# Altium PCB 通用工装板.PcbDoc (part 4 of 10)
Units mil, origin at the board's own origin, x right, y up, seen from the top; angles counter-clockwise.
Board outline 5905.51 x 3937.01 mil, 4 copper layers (L1, L2, L3, L4), stack 30.634 mil thick; 601 components, 576 nets, 2543 pads, 2986 vias.
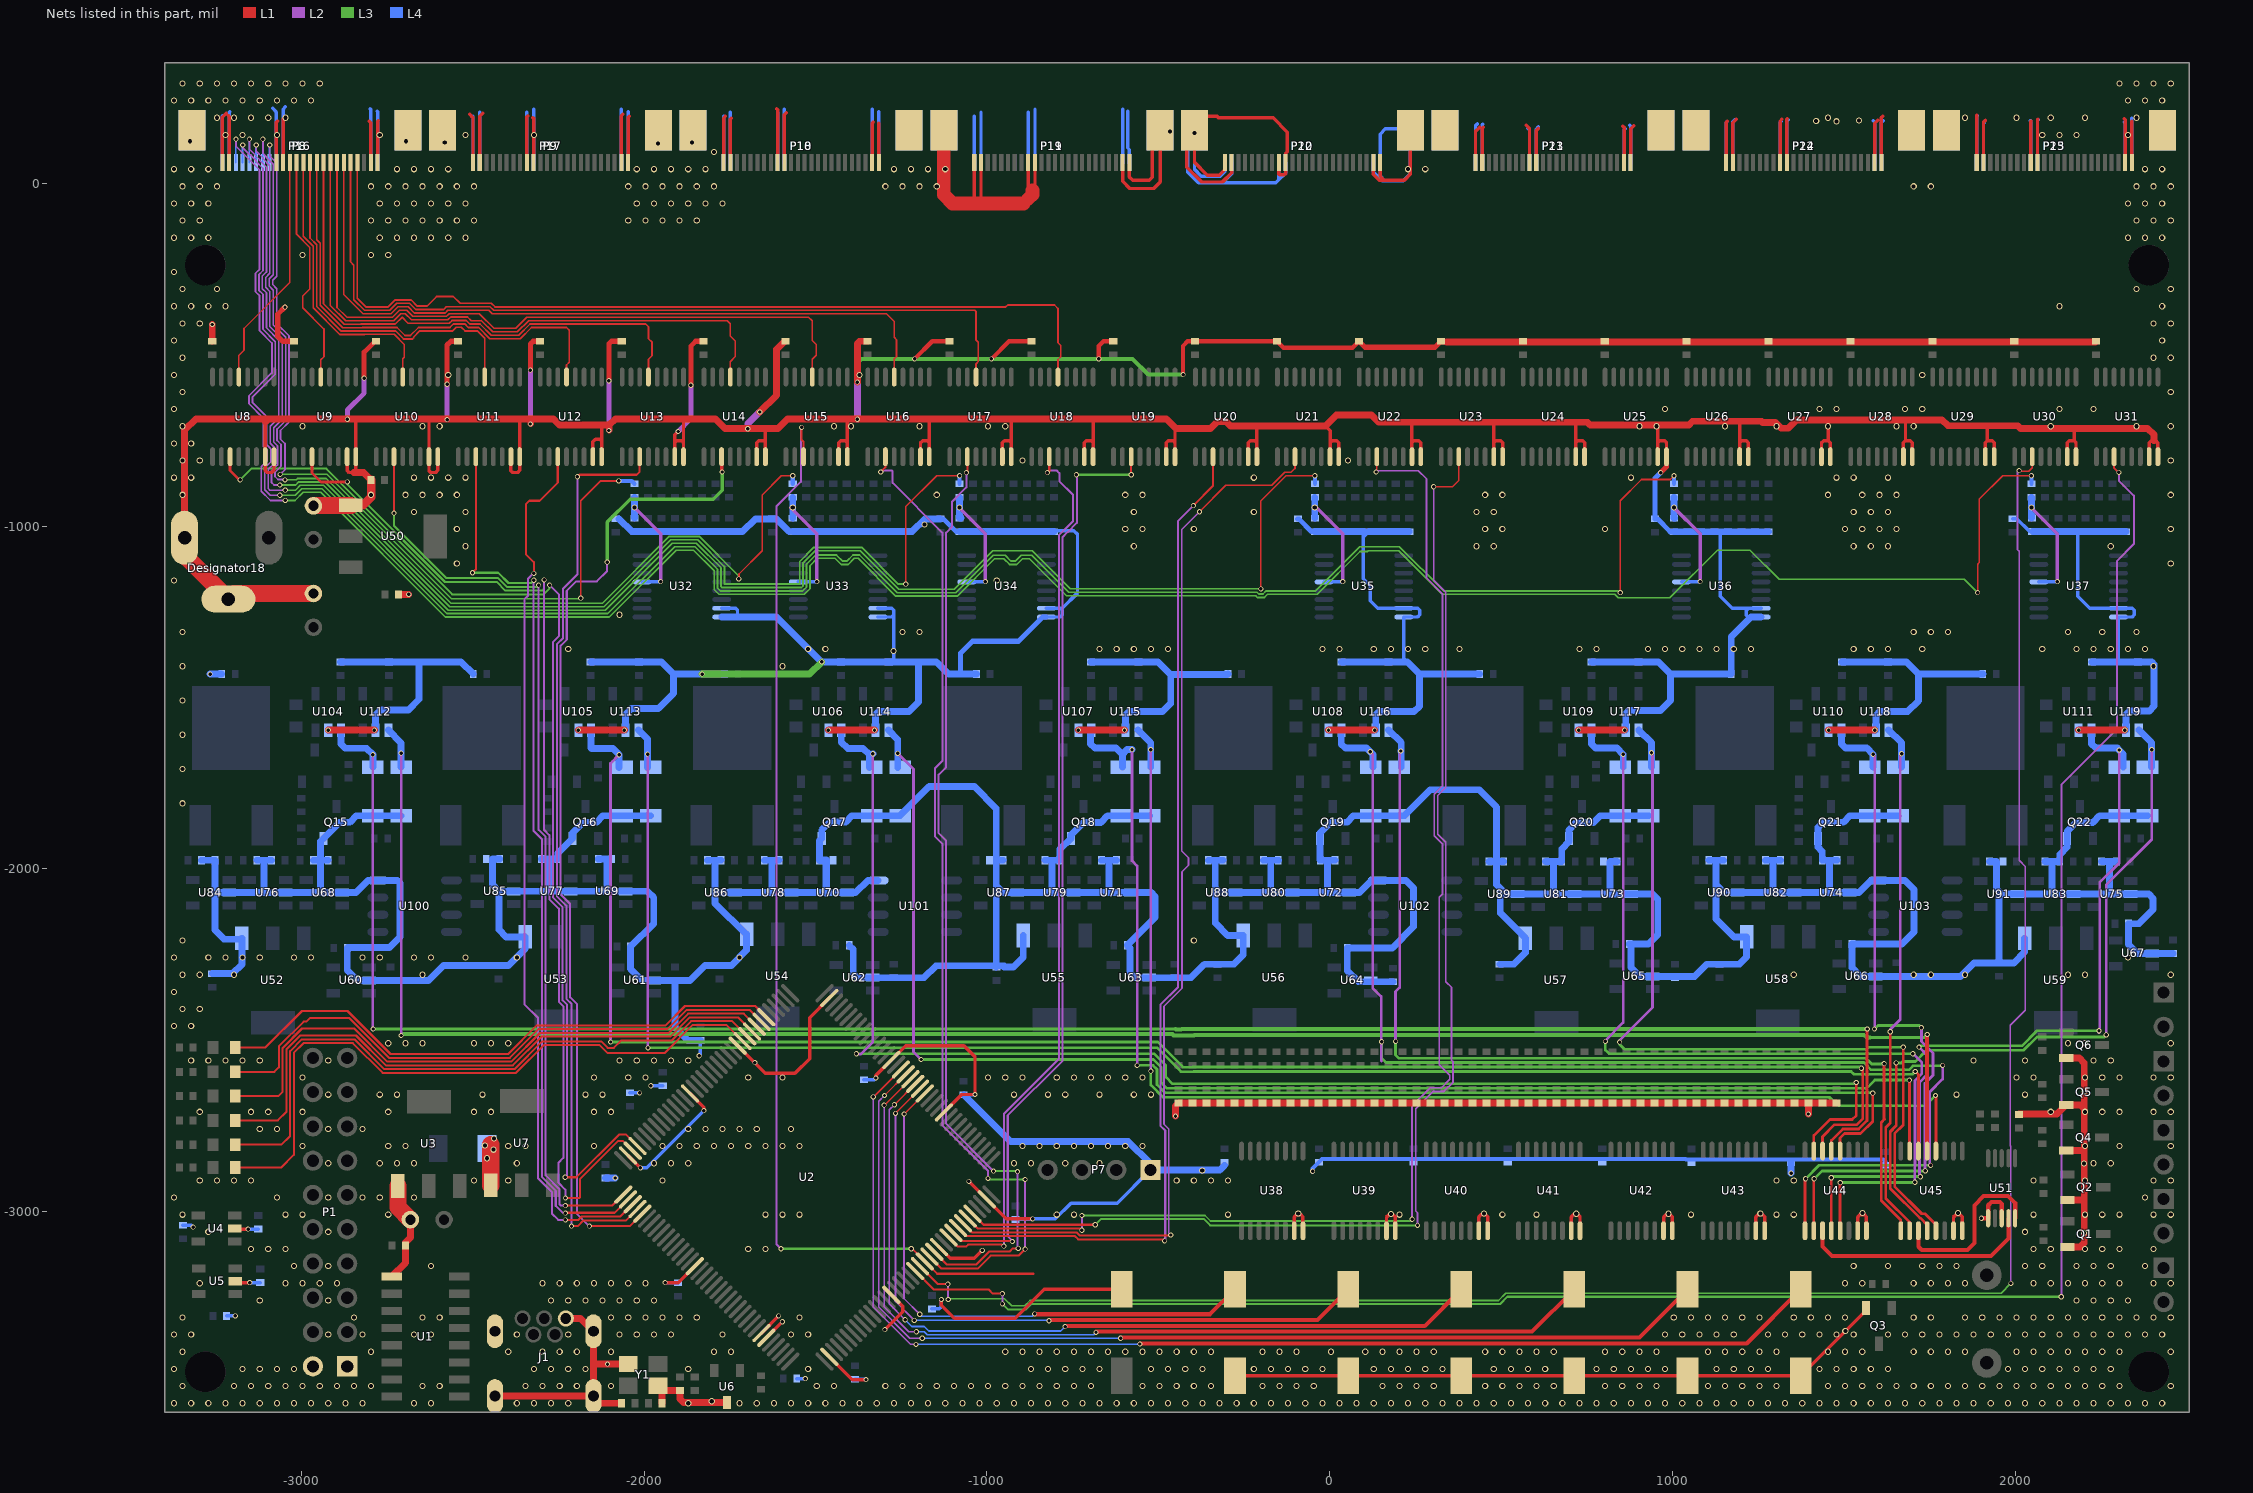
[diagram p6: the nets of this part, all layers, seen from the top]

## Via types
v1: diameter 15, hole 10, L1 to L4, tented both sides, 1853 vias
v2: diameter 18, hole 12, L1 to L4, tented both sides, 1133 vias

## Nets (pads, with @x,y where several pads share a name; then routed paths per layer and width w, separated by ;. In a path a pad name is that pad's centre, name@x,y a point inside that pad or via, vN(x,y) a via of type N, cw(c..) or ccw(c..) an arc to the next point about the centre after c; other vN are vias at no path point) (continued)
GND: (continued)
  other v2: -3371.62,-3558.62 -3321.62,-3558.62 -3271.62,-3558.62 -3221.62,-3558.62 -3171.62,-3558.62 -3121.62,-3558.62 -3071.62,-3558.62 -3021.62,-3558.62 -2971.62,-3558.62 -2921.62,-3558.62 -2871.62,-3558.62 -2821.62,-3558.62 -2671.62,-3558.62 -2621.62,-3558.62 -2371.62,-3558.62 -2321.62,-3558.62 -2271.62,-3558.62 -2221.62,-3558.62 -1871.62,-3558.62 -1721.62,-3558.62 -1671.62,-3558.62 -1621.62,-3558.62 -1571.62,-3558.62 -1521.62,-3558.62 -1471.62,-3558.62 -1421.62,-3558.62 -1371.62,-3558.62 -1321.62,-3558.62 -1271.62,-3558.62 -1221.62,-3558.62 -1171.62,-3558.62 -1121.62,-3558.62 -1071.62,-3558.62 -1021.62,-3558.62 -971.62,-3558.62 -921.62,-3558.62 -871.62,-3558.62 -821.62,-3558.62 -771.62,-3558.62 -721.62,-3558.62 -671.62,-3558.62 -621.62,-3558.62 -571.62,-3558.62 -521.62,-3558.62 -471.62,-3558.62 -421.62,-3558.62 -371.62,-3558.62 -321.62,-3558.62 -271.62,-3558.62 -221.62,-3558.62 -171.62,-3558.62 -121.62,-3558.62 -71.62,-3558.62 -21.62,-3558.62 28.38,-3558.62 78.38,-3558.62 128.38,-3558.62 178.38,-3558.62 228.38,-3558.62 278.38,-3558.62 328.38,-3558.62 378.38,-3558.62 428.38,-3558.62 478.38,-3558.62 528.38,-3558.62 578.38,-3558.62 628.38,-3558.62 678.38,-3558.62 728.38,-3558.62 778.38,-3558.62 828.38,-3558.62 878.38,-3558.62 928.38,-3558.62 978.38,-3558.62 1028.38,-3558.62 1078.38,-3558.62 1128.38,-3558.62 1178.38,-3558.62 1228.38,-3558.62 1278.38,-3558.62 1328.38,-3558.62 1378.38,-3558.62 1428.38,-3558.62 1478.38,-3558.62 1528.38,-3558.62 1578.38,-3558.62 1628.38,-3558.62 1678.38,-3558.62 1728.38,-3558.62 1778.38,-3558.62 1828.38,-3558.62 1878.38,-3558.62 1928.38,-3558.62 1978.38,-3558.62 2028.38,-3558.62 2078.38,-3558.62 2128.38,-3558.62 2178.38,-3558.62 2228.38,-3558.62 2278.38,-3558.62 2328.38,-3558.62 2378.38,-3558.62 2428.38,-3558.62 -1803,-3553 -3346.62,-3508.62 -3196.62,-3508.62 -3146.62,-3508.62 -3096.62,-3508.62 -3046.62,-3508.62 -2996.62,-3508.62 -2946.62,-3508.62 -2896.62,-3508.62 -2846.62,-3508.62 -2796.62,-3508.62 -2646.62,-3508.62 -2596.62,-3508.62 -2346.62,-3508.62 -2296.62,-3508.62 -2246.62,-3508.62 -2196.62,-3508.62 -2096.62,-3508.62 -1496.62,-3508.62 -1446.62,-3508.62 -1296.62,-3508.62 -1246.62,-3508.62 -1196.62,-3508.62 -1146.62,-3508.62 -1096.62,-3508.62 -1046.62,-3508.62 -996.62,-3508.62 -946.62,-3508.62 -896.62,-3508.62 -846.62,-3508.62 -796.62,-3508.62 -746.62,-3508.62 -696.62,-3508.62 -546.62,-3508.62 -496.62,-3508.62 -446.62,-3508.62 -396.62,-3508.62 -346.62,-3508.62 -196.62,-3508.62 -146.62,-3508.62 -96.62,-3508.62 -46.62,-3508.62 153.38,-3508.62 203.38,-3508.62 253.38,-3508.62 303.38,-3508.62 453.38,-3508.62 503.38,-3508.62 553.38,-3508.62 603.38,-3508.62 653.38,-3508.62 803.38,-3508.62 853.38,-3508.62 903.38,-3508.62 953.38,-3508.62 1103.38,-3508.62 1153.38,-3508.62 1203.38,-3508.62 1253.38,-3508.62 1303.38,-3508.62 1453.38,-3508.62 1503.38,-3508.62 1553.38,-3508.62 1603.38,-3508.62 1653.38,-3508.62 1703.38,-3508.62 1753.38,-3508.62 1803.38,-3508.62 1853.38,-3508.62 1903.38,-3508.62 1953.38,-3508.62 2003.38,-3508.62 2053.38,-3508.62 2103.38,-3508.62 2153.38,-3508.62 2203.38,-3508.62 2253.38,-3508.62 2303.38,-3508.62 2453.38,-3508.62 -3371.62,-3458.62 -3171.62,-3458.62 -3121.62,-3458.62 -3071.62,-3458.62 -3021.62,-3458.62 -2321.62,-3458.62 -2271.62,-3458.62 -2221.62,-3458.62 -2171.62,-3458.62 -1871.62,-3458.62 -1521.62,-3458.62 -871.62,-3458.62 -821.62,-3458.62 -771.62,-3458.62 -721.62,-3458.62 -671.62,-3458.62 -521.62,-3458.62 -471.62,-3458.62 -421.62,-3458.62 -371.62,-3458.62 -221.62,-3458.62 -171.62,-3458.62 -121.62,-3458.62 -71.62,-3458.62 -21.62,-3458.62 128.38,-3458.62 178.38,-3458.62 228.38,-3458.62 278.38,-3458.62 328.38,-3458.62 478.38,-3458.62 528.38,-3458.62 578.38,-3458.62 628.38,-3458.62 778.38,-3458.62 828.38,-3458.62 878.38,-3458.62 928.38,-3458.62 978.38,-3458.62 1128.38,-3458.62 1178.38,-3458.62 1228.38,-3458.62 1278.38,-3458.62 1428.38,-3458.62 1478.38,-3458.62 1528.38,-3458.62 1578.38,-3458.62 1628.38,-3458.62 1978.38,-3458.62 2028.38,-3458.62 2078.38,-3458.62 2128.38,-3458.62 2178.38,-3458.62 2228.38,-3458.62 2278.38,-3458.62 -3346.62,-3408.62 -2796.62,-3408.62 -2396.62,-3408.62 -2296.62,-3408.62 -2246.62,-3408.62 -2196.62,-3408.62 -2096.62,-3408.62 -1796.62,-3408.62 -1746.62,-3408.62 -946.62,-3408.62 -896.62,-3408.62 -846.62,-3408.62 -796.62,-3408.62 -746.62,-3408.62 -696.62,-3408.62 -646.62,-3408.62 -596.62,-3408.62 -546.62,-3408.62 -496.62,-3408.62 -446.62,-3408.62 -396.62,-3408.62 -346.62,-3408.62 -196.62,-3408.62 -146.62,-3408.62 -96.62,-3408.62 3.38,-3408.62 103.38,-3408.62 153.38,-3408.62 203.38,-3408.62 253.38,-3408.62 303.38,-3408.62 453.38,-3408.62 503.38,-3408.62 553.38,-3408.62 603.38,-3408.62 653.38,-3408.62 803.38,-3408.62 853.38,-3408.62 903.38,-3408.62 953.38,-3408.62 1103.38,-3408.62 1153.38,-3408.62 1203.38,-3408.62 1253.38,-3408.62 1303.38,-3408.62 1453.38,-3408.62 1503.38,-3408.62 1553.38,-3408.62 1703.38,-3408.62 1753.38,-3408.62 1803.38,-3408.62 1853.38,-3408.62 2003.38,-3408.62 2053.38,-3408.62 2103.38,-3408.62 2153.38,-3408.62 2203.38,-3408.62 2253.38,-3408.62 2303.38,-3408.62 2453.38,-3408.62 -3371.62,-3358.62 -3321.62,-3358.62 -2921.62,-3358.62 -2821.62,-3358.62 -2671.62,-3358.62 -2621.62,-3358.62 -2371.62,-3358.62 -2221.62,-3358.62 -2071.62,-3358.62 -2021.62,-3358.62 -1971.62,-3358.62 -1921.62,-3358.62 -1771.62,-3358.62 -1571.62,-3358.62 -1521.62,-3358.62 978.38,-3358.62 1028.38,-3358.62 1078.38,-3358.62 1128.38,-3358.62 1178.38,-3358.62 1278.38,-3358.62 1328.38,-3358.62 1378.38,-3358.62 1428.38,-3358.62 1478.38,-3358.62 1528.38,-3358.62 1628.38,-3358.62 1678.38,-3358.62 1728.38,-3358.62 1778.38,-3358.62 1828.38,-3358.62 1878.38,-3358.62 1928.38,-3358.62 1978.38,-3358.62 2028.38,-3358.62 2078.38,-3358.62 2128.38,-3358.62 2178.38,-3358.62 2228.38,-3358.62 2278.38,-3358.62 2328.38,-3358.62 2378.38,-3358.62 2428.38,-3358.62 1504,-3348 -3346.62,-3308.62 -2846.62,-3308.62 -2646.62,-3308.62 -2596.62,-3308.62 -2096.62,-3308.62 -2046.62,-3308.62 -1996.62,-3308.62 -1946.62,-3308.62 -1896.62,-3308.62 -1846.62,-3308.62 -1546.62,-3308.62 1003.38,-3308.62 1053.38,-3308.62 1103.38,-3308.62 1153.38,-3308.62 1203.38,-3308.62 1253.38,-3308.62 1353.38,-3308.62 1403.38,-3308.62 1453.38,-3308.62 1503.38,-3308.62 1703.38,-3308.62 1753.38,-3308.62 1853.38,-3308.62 1903.38,-3308.62 1953.38,-3308.62 2003.38,-3308.62 2053.38,-3308.62 2103.38,-3308.62 2153.38,-3308.62 2203.38,-3308.62 2253.38,-3308.62 2303.38,-3308.62 2353.38,-3308.62 2403.38,-3308.62 2453.38,-3308.62 -3121.62,-3258.62 -2921.62,-3258.62 -2271.62,-3258.62 -2221.62,-3258.62 -2171.62,-3258.62 -2121.62,-3258.62 -2071.62,-3258.62 -2021.62,-3258.62 -1971.62,-3258.62 2178.38,-3258.62 2228.38,-3258.62 2278.38,-3258.62 2328.38,-3258.62 -3296.62,-3208.62 -3046.62,-3208.62 -2996.62,-3208.62 -2946.62,-3208.62 -2896.62,-3208.62 -2296.62,-3208.62 -2246.62,-3208.62 -2196.62,-3208.62 -2146.62,-3208.62 -2096.62,-3208.62 -2046.62,-3208.62 -1996.62,-3208.62 1503.38,-3208.62 1553.38,-3208.62 1703.38,-3208.62 1753.38,-3208.62 1803.38,-3208.62 1853.38,-3208.62 2053.38,-3208.62 2103.38,-3208.62 2153.38,-3208.62 2203.38,-3208.62 2253.38,-3208.62 2303.38,-3208.62 2403.38,-3208.62 2453.38,-3208.62 -3021.62,-3158.62 -2921.62,-3158.62 -2621.62,-3158.62 1528.38,-3158.62 1628.38,-3158.62 1728.38,-3158.62 1778.38,-3158.62 1828.38,-3158.62 2028.38,-3158.62 2078.38,-3158.62 2178.38,-3158.62 2228.38,-3158.62 2278.38,-3158.62 2378.38,-3158.62 -3146.62,-3108.62 -3096.62,-3108.62 -3046.62,-3108.62 -1696.62,-3108.62 -1646.62,-3108.62 2053.38,-3108.62 2103.38,-3108.62 2203.38,-3108.62 2253.38,-3108.62 2303.38,-3108.62 2403.38,-3108.62 2200,-3062 -3271.62,-3058.62 -2921.62,-3058.62 2028.38,-3058.62 -3346.62,-3008.62 -3046.62,-3008.62 -2996.62,-3008.62 -2746.62,-3008.62 -1646.62,-3008.62 -1596.62,-3008.62 -1546.62,-3008.62 -796.62,-3008.62 -746.62,-3008.62 -296.62,-3008.62 203.38,-3008.62 503.38,-3008.62 603.38,-3008.62 1053.38,-3008.62 1303.38,-3008.62 1353.38,-3008.62 2053.38,-3008.62 2203.38,-3008.62 2253.38,-3008.62 2303.38,-3008.62 2403.38,-3008.62 2453.38,-3008.62 179,-3007 719,-3006 988,-3006 -92,-3005 450,-3005 1256,-3005 1554,-3004 1833,-3004 -3371.62,-2958.62 -3071.62,-2958.62 -2921.62,-2958.62 -2821.62,-2958.62 -2771.62,-2958.62 -2671.62,-2958.62 2378.38,-2958.62 -3296.62,-2908.62 -3246.62,-2908.62 -3196.62,-2908.62 -3146.62,-2908.62 -2496.62,-2908.62 -2396.62,-2908.62 -1946.62,-2908.62 -446.62,-2908.62 -396.62,-2908.62 -346.62,-2908.62 -296.62,-2908.62 1303.38,-2908.62 1353.38,-2908.62 2053.38,-2908.62 2203.38,-2908.62 2403.38,-2908.62 2453.38,-2908.62 -372,-2880 -2921.62,-2858.62 -2771.62,-2858.62 -2721.62,-2858.62 -2671.62,-2858.62 -2371.62,-2858.62 -1971.62,-2858.62 -1921.62,-2858.62 -1871.62,-2858.62 -921.62,-2858.62 -871.62,-2858.62 -771.62,-2858.62 -671.62,-2858.62 2200,-2859 2228.38,-2858.62 2278.38,-2858.62 -2459,-2844 -2440,-2819 -2996.62,-2808.62 -2746.62,-2808.62 -2696.62,-2808.62 -2396.62,-2808.62 -2346.62,-2808.62 -2146.62,-2808.62 -1946.62,-2808.62 -1896.62,-2808.62 -1846.62,-2808.62 -1796.62,-2808.62 -1746.62,-2808.62 -1696.62,-2808.62 -1646.62,-2808.62 -1596.62,-2808.62 -1546.62,-2808.62 -896.62,-2808.62 -846.62,-2808.62 -796.62,-2808.62 -746.62,-2808.62 -696.62,-2808.62 -646.62,-2808.62 -596.62,-2808.62 -546.62,-2808.62 2203.38,-2808.62 2303.38,-2808.62 2453.38,-2808.62 -2465,-2807 -2438,-2786 -3121.62,-2758.62 -3071.62,-2758.62 -2921.62,-2758.62 -2821.62,-2758.62 -1871.62,-2758.62 -1821.62,-2758.62 -1771.62,-2758.62 -1721.62,-2758.62 -1671.62,-2758.62 -1571.62,-2758.62 -3296.62,-2708.62 -3146.62,-2708.62 -3096.62,-2708.62 -2996.62,-2708.62 -2746.62,-2708.62 -2496.62,-2708.62 -2446.62,-2708.62 -2146.62,-2708.62 -2096.62,-2708.62 2103.38,-2708.62 2203.38,-2708.62 2253.38,-2708.62 2303.38,-2708.62 2403.38,-2708.62 2453.38,-2708.62 -2921.62,-2658.62 -2771.62,-2658.62 -2721.62,-2658.62 -2471.62,-2658.62 -2171.62,-2658.62 -2121.62,-2658.62 -921.62,-2658.62 -821.62,-2658.62 -771.62,-2658.62 -671.62,-2658.62 -571.62,-2658.62 -521.62,-2658.62 1828.38,-2658.62 2028.38,-2658.62 2200,-2649 -2996.62,-2608.62 -2146.62,-2608.62 -2046.62,-2608.62 -1996.62,-2608.62 -1696.62,-2608.62 -1596.62,-2608.62 -996.62,-2608.62 -946.62,-2608.62 -896.62,-2608.62 -796.62,-2608.62 -746.62,-2608.62 -696.62,-2608.62 -646.62,-2608.62 -596.62,-2608.62 -546.62,-2608.62 2003.38,-2608.62 2053.38,-2608.62 2203.38,-2608.62 2253.38,-2608.62 2303.38,-2608.62 2403.38,-2608.62 2453.38,-2608.62 -3321.62,-2558.62 -3271.62,-2558.62 -3221.62,-2558.62 -3171.62,-2558.62 -3121.62,-2558.62 -2921.62,-2558.62 -2071.62,-2558.62 -2021.62,-2558.62 -1971.62,-2558.62 -1921.62,-2558.62 -1871.62,-2558.62 1878.38,-2558.62 2028.38,-2558.62 2228.38,-2558.62 2278.38,-2558.62 -2746.62,-2508.62 -2696.62,-2508.62 -2646.62,-2508.62 -2496.62,-2508.62 -2446.62,-2508.62 -2396.62,-2508.62 2153.38,-2508.62 2203.38,-2508.62 2453.38,-2508.62 -3371.62,-2458.62 -3321.62,-2458.62 -3346.62,-2408.62 -3296.62,-2408.62 -3371.62,-2358.62 -3346.62,-2308.62 -3296.62,-2308.62 -3196.62,-2308.62 -2646.62,-2308.62 1353.38,-2308.62 1703.38,-2308.62 1753.38,-2308.62 1853.38,-2308.62 2153.38,-2308.62 2203.38,-2308.62 2453.38,-2308.62 -3371.62,-2258.62 -3271.62,-2258.62 -3221.62,-2258.62 -3171.62,-2258.62 -3121.62,-2258.62 -3021.62,-2258.62 -2971.62,-2258.62 -2821.62,-2258.62 -2771.62,-2258.62 -2671.62,-2258.62 -2621.62,-2258.62 -2521.62,-2258.62 -2371.62,-2258.62 -1721.62,-2258.62 2328.38,-2258.62 -3346.62,-2208.62 -396.62,-2208.62 -3346.62,-1808.62 -3346.62,-1708.62 -3346.62,-1608.62 -3346.62,-1508.62 -3346.62,-1408.62 -1596.62,-1408.62 2403.38,-1408.62 -1273,-1364 -2221.62,-1358.62 -1521.62,-1358.62 -1471.62,-1358.62 -671.62,-1358.62 -621.62,-1358.62 -571.62,-1358.62 -521.62,-1358.62 -471.62,-1358.62 -21.62,-1358.62 28.38,-1358.62 128.38,-1358.62 178.38,-1358.62 228.38,-1358.62 278.38,-1358.62 378.38,-1358.62 728.38,-1358.62 778.38,-1358.62 928.38,-1358.62 978.38,-1358.62 1028.38,-1358.62 1078.38,-1358.62 1128.38,-1358.62 1178.38,-1358.62 1228.38,-1358.62 1528.38,-1358.62 1578.38,-1358.62 1628.38,-1358.62 1728.38,-1358.62 2078.38,-1358.62 2178.38,-1358.62 2228.38,-1358.62 2278.38,-1358.62 2328.38,-1358.62 2378.38,-1358.62 -3346.62,-1308.62 -1246.62,-1308.62 -1196.62,-1308.62 1703.38,-1308.62 1753.38,-1308.62 1803.38,-1308.62 2153.38,-1308.62 2253.38,-1308.62 2353.38,-1308.62 -2071.62,-1258.62 -3371.62,-1158.62 -971.62,-1158.62 -2546.62,-1108.62 2453.38,-1108.62 -2521.62,-1058.62 -571.62,-1058.62 428.38,-1058.62 478.38,-1058.62 1528.38,-1058.62 1578.38,-1058.62 1628.38,-1058.62 2278.38,-1058.62 -2546.62,-1008.62 -596.62,-1008.62 -546.62,-1008.62 -396.62,-1008.62 453.38,-1008.62 503.38,-1008.62 803.38,-1008.62 1503.38,-1008.62 1553.38,-1008.62 1603.38,-1008.62 1653.38,-1008.62 2453.38,-1008.62 -1182,-995 -2671.62,-958.62 -2521.62,-958.62 -571.62,-958.62 -221.62,-958.62 428.38,-958.62 478.38,-958.62 1528.38,-958.62 1578.38,-958.62 1628.38,-958.62 -3346.62,-908.62 -2796.62,-908.62 -2696.62,-908.62 -2646.62,-908.62 -2596.62,-908.62 -2546.62,-908.62 -1146.62,-908.62 -596.62,-908.62 -546.62,-908.62 453.38,-908.62 503.38,-908.62 1453.38,-908.62 1553.38,-908.62 1603.38,-908.62 1653.38,-908.62 2453.38,-908.62 -3371.62,-858.62 -3321.62,-858.62 -2671.62,-858.62 -2621.62,-858.62 -2571.62,-858.62 -2521.62,-858.62 -221.62,-858.62 878.38,-858.62 1478.38,-858.62 1528.38,-858.62 1628.38,-858.62 -3346.62,-808.62 -3296.62,-808.62 -896.62,-808.62 53.38,-808.62 2453.38,-808.62 -3371.62,-758.62 -3321.62,-758.62 -3346.62,-708.62 -2996.62,-708.62 -2646.62,-708.62 -2596.62,-708.62 -1446.62,-708.62 -1396.62,-708.62 -1196.62,-708.62 -996.62,-708.62 -946.62,-708.62 903.38,-708.62 953.38,-708.62 1153.38,-708.62 1303.38,-708.62 1453.38,-708.62 1653.38,-708.62 1703.38,-708.62 2103.38,-708.62 2353.38,-708.62 2453.38,-708.62 -3371.62,-658.62 978.38,-658.62 1428.38,-658.62 1478.38,-658.62 1678.38,-658.62 1728.38,-658.62 2128.38,-658.62 2228.38,-658.62 -3346.62,-608.62 2453.38,-608.62 -3371.62,-558.62 -2571.62,-558.62 -1371.62,-558.62 1728.38,-558.62 -3346.62,-508.62 2403.38,-508.62 2453.38,-508.62 -3371.62,-458.62 2428.38,-458.62 -3346.62,-408.62 -3296.62,-408.62 2403.38,-408.62 2453.38,-408.62 -3371.62,-358.62 -3321.62,-358.62 -3271.62,-358.62 -3221.62,-358.62 2128.38,-358.62 2428.38,-358.62 -3346.62,-308.62 -3246.62,-308.62 2353.38,-308.62 2453.38,-308.62 -3371.62,-258.62 -2996.62,-208.62 -2796.62,-208.62 -2746.62,-208.62 -3371.62,-158.62 -3321.62,-158.62 -3271.62,-158.62 -2771.62,-158.62 -2721.62,-158.62 -2671.62,-158.62 -2621.62,-158.62 -2571.62,-158.62 -2521.62,-158.62 2328.38,-158.62 2378.38,-158.62 2428.38,-158.62 -3346.62,-108.62 -3296.62,-108.62 -2796.62,-108.62 -2746.62,-108.62 -2696.62,-108.62 -2646.62,-108.62 -2596.62,-108.62 -2546.62,-108.62 -2496.62,-108.62 -2046.62,-108.62 -1996.62,-108.62 -1946.62,-108.62 -1896.62,-108.62 -1846.62,-108.62 2353.38,-108.62 2403.38,-108.62 2453.38,-108.62 -3371.62,-58.62 -3321.62,-58.62 -3271.62,-58.62 -2771.62,-58.62 -2721.62,-58.62 -2671.62,-58.62 -2621.62,-58.62 -2571.62,-58.62 -2521.62,-58.62 -2021.62,-58.62 -1971.62,-58.62 -1921.62,-58.62 -1871.62,-58.62 -1821.62,-58.62 -1771.62,-58.62 2328.38,-58.62 2378.38,-58.62 2428.38,-58.62 -3346.62,-8.62 -3296.62,-8.62 -3246.62,-8.62 -2796.62,-8.62 -2746.62,-8.62 -2696.62,-8.62 -2646.62,-8.62 -2596.62,-8.62 -2546.62,-8.62 -2496.62,-8.62 -2046.62,-8.62 -1996.62,-8.62 -1946.62,-8.62 -1896.62,-8.62 -1846.62,-8.62 -1796.62,-8.62 -1296.62,-8.62 -1246.62,-8.62 -1196.62,-8.62 -1146.62,-8.62 1703.38,-8.62 1753.38,-8.62 2353.38,-8.62 2403.38,-8.62 2453.38,-8.62 -3371.62,41.38 -3321.62,41.38 -3271.62,41.38 -2721.62,41.38 -2671.62,41.38 -2621.62,41.38 -2571.62,41.38 -2021.62,41.38 -1971.62,41.38 -1921.62,41.38 -1871.62,41.38 -1821.62,41.38 -1271.62,41.38 -1221.62,41.38 -1171.62,41.38 -1121.62,41.38 228.38,41.38 278.38,41.38 2378.38,41.38 2428.38,41.38 -1796.62,91.38 -1960,116 -2582,119 -1861,119 -3325,123 -2695,123 -3221.62,141.38 -3171.62,141.38 -3071.62,141.38 -2771.62,141.38 -2521.62,141.38 -2321.62,141.38 2078.38,141.38 2128.38,141.38 2178.38,141.38 2328.38,141.38 -395,147 -466,151 1478,181 1419,182 1544,183 -3246.62,191.38 -3196.62,191.38 -3146.62,191.38 -3096.62,191.38 -3046.62,191.38 1453.38,191.38 1853.38,191.38 2003.38,191.38 2103.38,191.38 2203.38,191.38 2353.38,191.38 -3371.62,241.38 -3321.62,241.38 -3271.62,241.38 -3221.62,241.38 -3171.62,241.38 -3121.62,241.38 -3071.62,241.38 -3021.62,241.38 -2971.62,241.38 2328.38,241.38 2378.38,241.38 2428.38,241.38 -3346.62,291.38 -3296.62,291.38 -3246.62,291.38 -3196.62,291.38 -3146.62,291.38 -3096.62,291.38 -3046.62,291.38 -2996.62,291.38 -2946.62,291.38 2303.38,291.38 2353.38,291.38 2403.38,291.38 2453.38,291.38
GPIO0: U2.141 U8.3 | length 3208.2
  L1 w6: v1(-2230.56,-2899.44) -2198,-2899.44 -2073.56,-2775 -2052.61,-2775 U2.141@-2019.52,-2808.09
  L1 w8: U8.3@-3208.04,-797.27 -3208.04,-837.96 -3181,-865 v1(-3179,-865)
  L2 w6: v1(-2276,-1172) -2248,-1200 -2248,-1320 -2265.7,-1337.7 -2265.7,-2083.74 -2238,-2111.44 -2238,-2383.44 -2225,-2396.44 -2225,-2893.89 v1(-2230.56,-2899.44)
  L3 w6: v1(-3179,-865) -3146,-832 -2927.44,-832 -2560.44,-1199 -2293.44,-1199 -2276,-1181.56 v1(-2276,-1172)
GPIO1: U2.142 U9.3 | length 3047
  L1 w6: v1(-2230,-2960) -2190,-2960 -2187,-2957 -2187,-2904 -2077,-2794 -2061.45,-2794 U2.142@-2033.44,-2822.01
  L1 w8: U9.3@-2969.08,-797.27 -2969.08,-845 -2943.08,-871 v1(-2866,-871)
  L2 w6: v1(-2292,-1157) -2292,-1886.44 -2276.7,-1901.74 -2276.7,-2088.3 -2249,-2116 -2249,-2388 -2236,-2401 -2236,-2843 -2250,-2857 -2250,-2915.89 -2230,-2935.89 v1(-2230,-2960)
  L3 w6: v1(-2866,-871) -2866,-877.88 -2581,-1162.88 -2580.62,-1162.5 -2430.5,-1162.5 -2405,-1188 -2298,-1188 -2292,-1182 v1(-2292,-1157)
GPIO2: U2.1 U10.3 | length 2730.9
  L1 w6: U10.3@-2730.12,-797.27 -2730.12,-961.88 v1(-2730,-962) ; v1(-2230,-2982) -2093.2,-2982 U2.1@-2061.27,-2950.07
  L2 w6: v1(-2307.86,-1172.14) -2307.86,-1886.14 -2287.7,-1906.3 -2287.7,-2893.74 -2247,-2934.44 -2247,-2978 -2243,-2982 v1(-2230,-2982)
  L3 w6: v1(-2730,-962) -2730,-998.33 -2576.83,-1151.5 -2425.94,-1151.5 -2400.44,-1177 -2312.72,-1177 v1(-2307.86,-1172.14)
GPIO3: U2.2 U11.3 | length 2625.8
  L1 w6: v1(-2501,-1136) -2491.16,-1126.16 U11.3@-2491.16,-797.27 ; v1(-2230,-3004) -2229,-3003 -2086.36,-3003 U2.2@-2047.35,-2963.99
  L2 w6: v1(-2322,-1158) -2323.36,-1159.36 -2323.36,-1887.92 -2298.7,-1912.58 -2298.7,-2898.3 -2258,-2939 -2258,-2982.56 -2236.56,-3004 v1(-2230,-3004)
  L3 w6: v1(-2501,-1136) -2425.89,-1136 -2395.89,-1166 -2330,-1166 v1(-2322,-1158)
GPIO4: U2.3 U12.3 | length 2582.4
  L1 w6: v1(-2322,-1138) -2322,-1105 -2345,-1082 -2345,-936 -2335,-926 -2305,-926 -2252,-873 -2252.2,-872.8 U12.3@-2252.2,-797.27 ; v1(-2230,-3024) -2191.56,-3024 -2181.56,-3014 -2069.53,-3014 U2.3@-2033.44,-2977.91
  L2 w6: v1(-2322,-1138) -2323.92,-1138 -2339,-1153.08 -2339,-1203 -2349.5,-1213.5 -2349.5,-2394.5 -2309.7,-2434.3 -2309.7,-2902.85 -2269,-2943.56 -2269,-3006 -2251,-3024 v1(-2230,-3024)
GPIO5: U2.4 U13.3 | length 2673.5
  L1 w6: v1(-2212,-3042) -2194,-3042 -2177,-3025 -2052.69,-3025 U2.4@-2019.52,-2991.83 ; v1(-2195,-856) -2189,-850 -2022,-850 -2013.24,-841.24 -2013.24,-828.24 U13.3@-2013.24,-797.27
  L2 w6: v1(-2212,-3042) -2212,-2393.89 -2227,-2378.89 -2227,-2106.89 -2254.7,-2079.19 -2254.7,-1344.26 -2237,-1326.56 -2237,-1183 -2195,-1141 v1(-2195,-856)
GPIO6: U2.5 U14.3 | length 2821.4
  L1 w6: v1(-2160,-3042) -2041.85,-3042 U2.5@-2005.6,-3005.75
  L1 w10: U14.3@-1774.28,-797.27 -1774.28,-840.5 v1(-1772.78,-842)
  L2 w6: v1(-2160,-3042) -2196.5,-3005.5 -2196.5,-2393.83 -2216,-2374.33 -2216,-2102.33 -2243.7,-2074.63 -2243.7,-1348.81 -2226,-1331.11 -2226,-1189 -2198,-1161 -2138,-1161 -2108,-1131 v1(-2108,-1105)